# Altium PCB 2-quilter-output.PcbDoc (part 15 of 26) (continued)
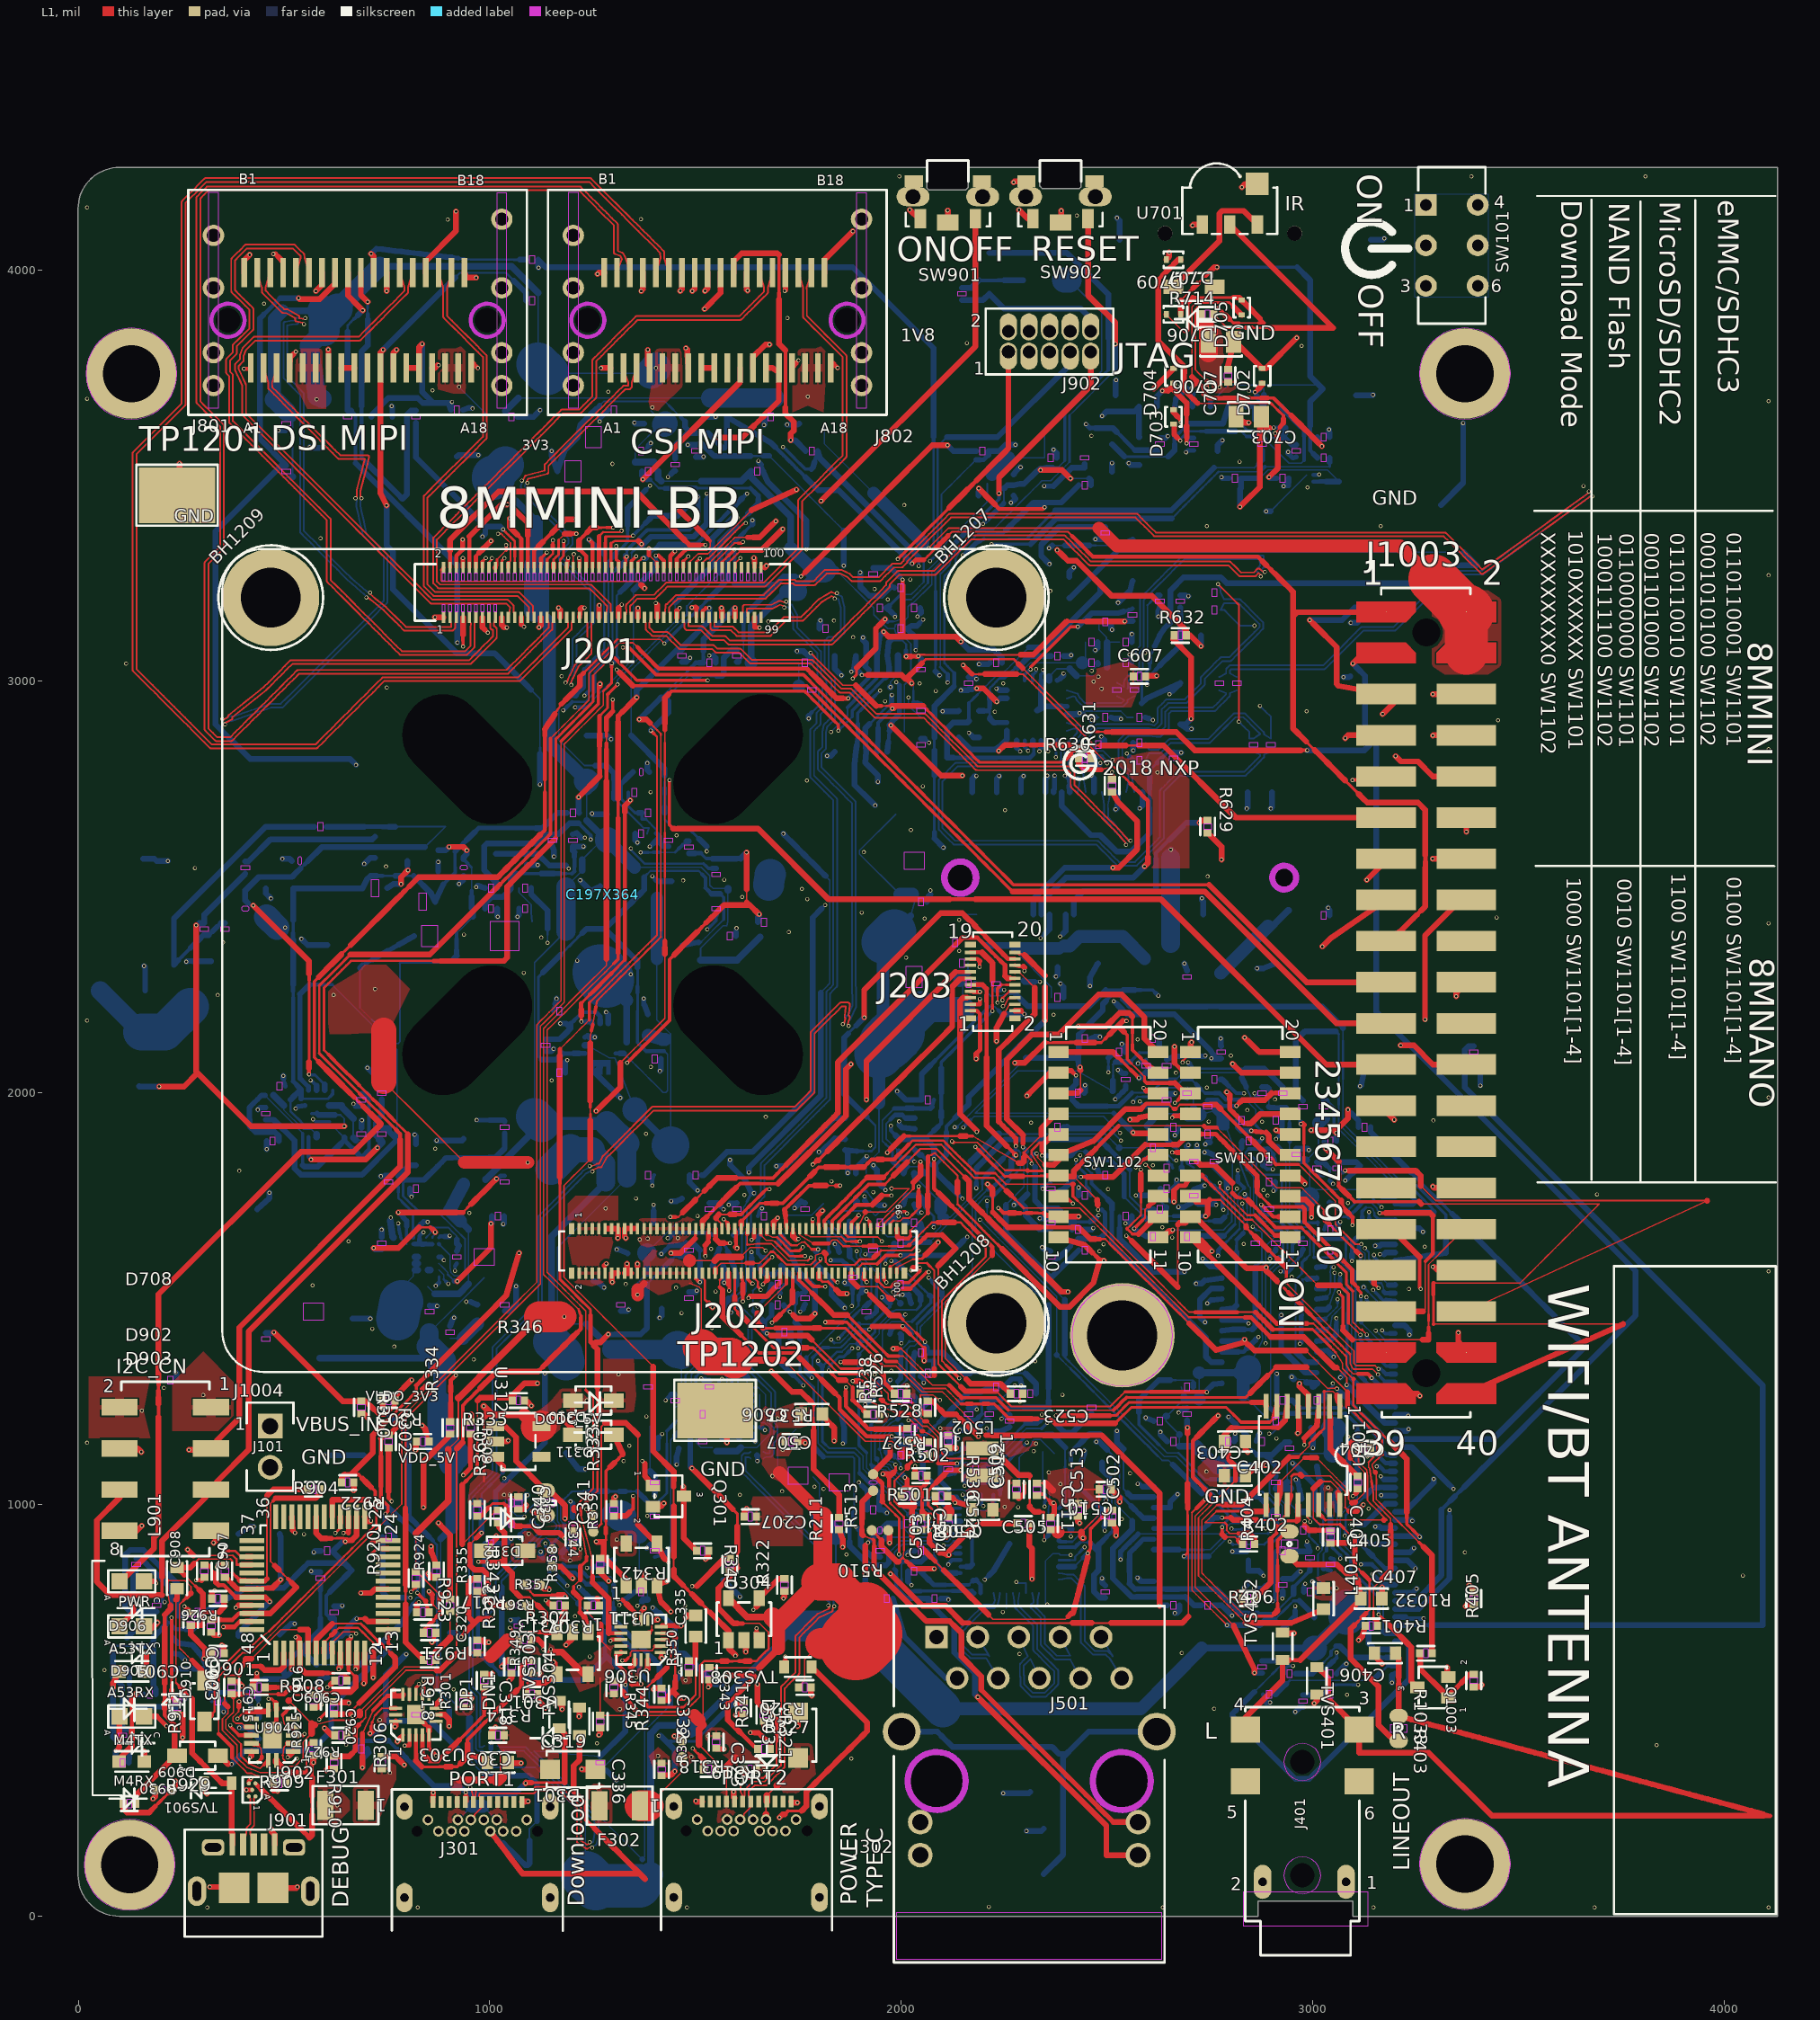
[diagram p0: L1 view]
## Nets (pads, with @x,y where several pads share a name; then routed paths per layer and width w, separated by ;. In a path a pad name is that pad's centre, name@x,y a point inside that pad or via, vN(x,y) a via of type N, cw(c..) or ccw(c..) an arc to the next point about the centre after c; other vN are vias at no path point) (continued)
  L6 w4.85: 1797.63,1732.68 1797.63,1747.52 ; 1797.63,1821.75 1797.63,1836.59
  L6 w5.87: 1797.63,1806.9 1797.63,1821.75 ; 1803.83,1437.87 1803.83,1451.71 1803.83,1465.55
  L6 w6.9: 1797.63,1747.52 1797.63,1762.37 1797.63,1777.21 1797.63,1792.06 1797.63,1806.9 ; 1803.83,1424.04 1803.83,1437.87
  L6 w7.92: v1@1797.63,1853.22 v1(1800.51,1856.09)
  L6 w14.05: 1797.63,1836.6 v1@1797.63,1853.22 ; 1803.83,1424.04 1803.83,1410.2 1803.83,1396.37 1803.83,1382.53 1803.83,1368.7 1865.81,1306.72 v1(1865.81,1284.46)
  L8 w14.05: v1(1800.51,1856.09) 1805.25,1856.09 1838.71,1889.55 U508.6@1864.14,1886.87
NetR527_2: R527.2 R537.1 U508.8 | length 1304.8
  L1 w6.9: 1897.56,1299.76 1906.5,1299.76 1915.71,1290.54 1924.93,1281.33 R537.1@1934.14,1272.12
  L1 w7.92: v1(1853.35,1345.72) 1861.58,1345.72
  L1 w8.94: v1(1882.45,1299.77) 1888.61,1299.76
  L1 w9.96: 1958.19,1296.91 1966.72,1288.38
  L1 w10.99: 1936.57,1334.91 1947.38,1324.1 1958.19,1313.29 ; 1966.72,1288.38 1975.25,1279.85 R527.2@1983.79,1271.31
  L1 w12.01: 1911.77,1345.72 1925.75,1345.72 1936.57,1334.91 ; 1958.19,1296.91 1958.19,1305.1 1958.19,1313.29
  L1 w14.05: 1861.58,1345.72 1869.82,1345.72 1883.8,1345.72 1897.79,1345.72 1911.77,1345.72 ; 1888.62,1299.76 1897.56,1299.76 ; R537.1@1930.37,1268.81 R537.1@1934.14,1272.12 ; R527.2@1983.79,1268.81 R527.2@1983.79,1271.31
  L3 w3.5: v1@1550.43,1517.34 1560.75,1507.02 1571.07,1496.7 1581.38,1486.38 1591.7,1476.06 1602.02,1465.74 1612.34,1455.42 1622.66,1445.11 1632.98,1434.79 1643.3,1424.47 1653.61,1414.15 1663.93,1403.83 1674.25,1393.51 1684.57,1383.19 ; 1731.05,1383.19 1745.31,1378.3 1759.57,1373.41 1773.83,1368.53 1788.09,1363.64 1802.35,1358.75 1816.61,1353.86 1830.87,1348.97 1845.13,1344.09
  L3 w4.85: 1684.57,1383.19 1700.06,1383.19
  L3 w5.87: 1715.55,1383.19 1731.05,1383.19
  L3 w13.03: v1(1549.17,1517.34) v1@1550.43,1517.34
  L3 w14.05: 1700.06,1383.19 1715.55,1383.19 ; 1845.13,1344.09 v1@1851.46,1341.92 ; v1(1853.35,1345.72) 1853.35,1343.81 v1@1851.46,1341.92 ; v1(1882.45,1299.77) 1871.28,1310.95 v1@1851.46,1341.92
  L6 w6.9: 1517.03,1617.74 1526.58,1627.29 1536.13,1636.84
  L6 w7.92: 1555.22,1655.94 1555.22,1669.6 1555.22,1683.26 1555.22,1696.93 1555.22,1710.59 1555.22,1724.25 1564.83,1733.87 1574.45,1743.48 1584.06,1753.09 1593.67,1762.7 1603.28,1772.31 1612.89,1781.92 1622.5,1791.53 1637.24,1791.53 1651.98,1791.53 1666.72,1791.53 1676.74,1801.56
  L6 w12.01: 1507.48,1608.2 1517.03,1617.74
  L6 w13.03: 1536.13,1636.84 1545.67,1646.39
  L6 w14.05: 1507.48,1608.2 1507.48,1593.94 1548.84,1552.58 1548.84,1517.67 v1(1549.17,1517.34) ; 1545.67,1646.39 1555.22,1655.94 ; 1676.74,1801.56 1686.76,1811.58 v1(1696.79,1821.6)
  L8 w14.05: v1(1696.79,1821.6) 1707.99,1821.6 1719.58,1821.6 1836.03,1938.05 U508.8@1864.14,1938.06
NetR528_2: R528.2 R538.1 U508.1 | length 1622.8
  L1 w3.5: 1864.83,1301.22 1873.64,1292.41 1882.44,1283.61 ; 2000.05,1378.4 2010.11,1368.34 2020.17,1358.28 2030.23,1348.22 2040.29,1338.16 2050.35,1328.1 2060.41,1318.04 2070.47,1307.98 ; 2046.96,1265.2 2062.67,1265.2 2078.37,1265.2 2085.98,1259.21 v1@2093.59,1253.22 ; 2070.48,1307.97 2075.32,1307.97 2080.69,1313.34
  L1 w3.83: 2035.15,1580.29 2041,1586.14 2051.93,1586.14 2062.86,1586.14 ; 2080.69,1328.63 2080.69,1340 2080.69,1345.69
  L1 w4.85: 2029.15,1574.29 2035.15,1580.29 ; 2046.96,1253.3 2046.96,1265.19 ; 2071.78,1577.23 2080.69,1568.31 2080.69,1553.35 2080.69,1538.39 2080.69,1523.43 2080.69,1508.47 2080.69,1493.51 2080.69,1478.55 2080.69,1463.59 2080.69,1448.63 2080.69,1433.67 2080.69,1418.71 2080.69,1403.75 2080.69,1388.79 2080.69,1373.83 2080.69,1358.87 2080.69,1345.7
  L1 w5.87: 2046.96,1229.53 2046.96,1241.42 2046.96,1253.3
  L1 w6.9: 1833.63,1315.74 1840.89,1308.48 1848.16,1301.22 ; 1990.29,1378.4 2000.05,1378.4 ; 2062.86,1586.14 2071.78,1577.23
  L1 w7.92: 1899.93,1236.51 R528.2@1908.68,1227.76
  L1 w8.94: v1(1824.25,1325.12) 1833.63,1315.74 ; 1891.18,1245.25 1899.93,1236.51 ; v1@2093.59,1253.22 v1(2094.22,1253.22)
  L1 w9.96: 1882.44,1254.01 1882.44,1268.81 1882.44,1283.61 ; v1(2024.62,1568.25) 2029.15,1572.78
  L1 w10.99: 1882.44,1254 1891.18,1245.25 ; 2046.95,1229.52 2046.95,1228.82 2054.93,1220.85 R538.1@2064.91,1220.85
  L1 w12.01: R528.2@1908.68,1227.76 R528.2@1917.44,1219
  L1 w14.05: 1848.16,1301.22 1864.83,1301.22 ; v1(1980.54,1378.4) 1990.29,1378.4 ; 2029.15,1572.78 2029.15,1574.29 ; 2080.69,1313.35 2080.69,1328.63
  L6 w3.5: 2016.74,1678.77 2016.74,1664.11 2016.74,1649.45 2016.74,1634.78 2016.74,1620.12 2016.74,1605.46 2016.74,1590.8 2016.74,1576.13 v1(2024.62,1568.25) ; 2032.45,1755.91 2032.45,1771.27 2032.45,1786.63
  L6 w3.83: 2032.45,1801.99 2032.45,1817.35 v1(2032.45,1832.7)
  L6 w5.87: 2032.45,1786.63 2032.45,1801.99
  L6 w7.92: v1(1880.9,1378.81) 1880.9,1384.92 1886.69,1390.71 1892.48,1396.5
  L6 w9.96: 1970.25,1360.35 1979.29,1351.32 ; 1980.54,1352.57 1979.29,1351.32 ; 1993.59,1351.32 1979.29,1351.32
  L6 w12.01: 1980.54,1352.57 1980.54,1365.48
  L6 w14.05: 1892.48,1396.5 1934.1,1396.5 1943.14,1387.46 1952.18,1378.43 1961.21,1369.39 1970.25,1360.35 ; 1980.54,1365.48 v1(1980.54,1378.4) ; 1993.59,1351.32 2007.9,1351.32 2022.2,1351.32 2094.22,1279.3 v1(2094.22,1253.22) ; 2016.74,1678.77 2032.45,1694.48 2032.45,1709.84 2032.45,1725.2 2032.45,1740.55 2032.45,1755.91
  L8 w3.83: 1974.42,1935.3 1963.55,1924.43 1963.55,1912.38 1963.55,1900.34 1963.55,1888.29 1973.7,1878.15 1983.84,1868 1993.98,1857.86
  L8 w5.87: 1840.59,1350.35 1848.77,1358.52
  L8 w6.9: v1(1824.25,1325.12) 1824.25,1334 1832.42,1342.17 1840.59,1350.35 ; 1848.77,1358.52 1860.6,1358.52 1870.74,1368.66
  L8 w9.96: 1870.74,1368.66 v1(1880.9,1378.81) ; 2024.92,1840.23 v1(2032.45,1832.7)
  L8 w10.99: 1974.42,1935.3 1985.29,1946.17 1994.06,1946.17 2002.82,1946.17 U508.1@2010.94,1938.05
  L8 w13.03: 1993.98,1857.86 1993.98,1847.75 2001.5,1840.23
  L8 w14.05: 2001.5,1840.23 2024.92,1840.23 ; U508.1@2010.94,1938.05 U508.1@2033.44,1938.06
NetR539_2: R539.2 U502.4 U502.6 | length 388.8
  L8 w3.5: 1883.64,1639.11 1893.26,1629.48 1902.87,1619.87 1902.87,1612.25 1900.32,1607.7
  L8 w3.83: 1900.32,1607.7 1900.32,1604.28 1910.42,1594.19 1920.51,1584.09 1930.61,1574 1940.7,1563.9
  L8 w4.85: U502.4@1827.72,1681.25 1837.14,1671.83 1846.56,1662.41 1855.98,1652.99 1865.4,1643.57 1870.84,1643.57
  L8 w5.87: U502.4@1823.65,1687.84 U502.4@1827.72,1681.25 ; 1940.7,1481.35 1940.7,1495.11 1940.7,1508.86 ; 1940.7,1522.62 1940.7,1536.38 1940.7,1550.14 1940.7,1563.9
  L8 w7.92: 1940.7,1508.86 1940.7,1522.62
  L8 w8.94: R539.2@1923.3,1455.59 1928.82,1457.24
  L8 w9.96: 1928.82,1457.24 1934.76,1463.18
  L8 w10.99: R539.2@1915.61,1453.27 R539.2@1923.3,1455.59
  L8 w12.01: 1870.84,1643.57 1874.84,1647.57 ; 1934.76,1463.18 1940.7,1469.12 1940.7,1481.35
  L8 w14.05: 1874.84,1647.58 1874.84,1660.99 1874.84,1674.41 1874.84,1687.83 1883.64,1666.85 1883.64,1639.11
NetR540_2: R540.2 U504.4 U504.6 | length 451.1
  L1 w7.92: v1(1729.86,1467.86) 1737.85,1459.87
  L1 w14.05: 1737.85,1459.87 1745.84,1451.88 1746.03,1451.69 1778.83,1451.69 v1(1790.43,1463.29)
  L8 w3.5: 1671.02,1600.23 1680.51,1609.72 1690,1619.21 1699.48,1628.69
  L8 w5.87: 1699.48,1628.69 1703.95,1633.16
  L8 w9.96: 1652.38,1627.37 1652.38,1616.43 1652.38,1609.99 1662.14,1600.23 ; R540.2@1722.29,1475.44 v1(1729.86,1467.86)
  L8 w12.01: 1652.38,1627.37 1652.38,1638.3 U504.4@1652.38,1649.24 ; 1662.14,1600.23 1671.02,1600.23
  L8 w14.05: U504.4@1652.38,1649.24 U504.4@1657.77,1654.64 ; 1703.95,1633.16 1703.95,1644.17 U504.6@1708.97,1654.64 1751.42,1566.14 1790.43,1527.12 1790.43,1484.17 v1(1790.43,1463.29) ; R540.2@1714.72,1484.63 1714.71,1483.01 R540.2@1722.29,1475.44
NetR541_2: R541.2 U503.4 U503.6 | length 516.9
  L3 w7.92: 1968.09,1501.53 1981.9,1501.53
  L3 w8.94: v1(1953,1502.81) 1954.27,1501.53 1968.09,1501.53 ; 1981.9,1501.53 1995.71,1501.53 v1(2003.59,1509.4)
  L3 w14.05: v1(1705.44,1504.16) 1742.07,1504.16 1773.56,1472.67 1773.56,1456.12 v1(1829.75,1399.92)
  L8 w3.5: 1837.63,1392.05 1851.78,1392.05 1860.79,1401.06 1869.86,1410.13 1878.93,1419.21 1888,1428.28 1897.07,1437.35
  L8 w4.85: 1897.09,1437.35 1908.01,1437.35 1918.94,1437.35 1929.86,1437.35
  L8 w5.87: 1705.44,1513.86 1710.07,1524.16
  L8 w6.9: 1710.07,1524.16 R541.2@1714.72,1534.43 ; v1(1829.75,1399.92) 1837.63,1392.05 ; 1929.86,1437.35 1940.63,1448.13 1951.41,1458.9 1962.18,1469.67 U503.4@1972.95,1480.45
  L8 w7.92: v1(1953,1502.81) v1@1955.95,1502.81
  L8 w8.94: U503.4@1972.95,1480.45 U503.4@1972.95,1488.62
  L8 w9.96: v1(1705.44,1504.16) 1705.44,1513.86
  L8 w12.01: v1(2003.59,1509.4) 2003.94,1509.05 2018.7,1509.05
  L8 w14.05: v1@1955.95,1502.81 1968.12,1490.64 U503.4@1972.95,1488.62 ; 2018.7,1509.05 U503.6@2024.15,1488.62
NetR542_2: R542.2 U506.4 U506.6 | length 968.8
  L3 w8.94: v1(1642.61,1755.92) 1642.61,1743.65 1642.61,1731.37 1642.61,1719.1 1652.1,1709.61 1661.59,1700.11
  L3 w10.99: v1(1828.93,1593.05) 1828.93,1602.66
  L3 w12.01: 1680.58,1681.13 1690.07,1671.64
  L3 w13.03: 1690.07,1671.64 1699.56,1662.14 1713.92,1662.14
  L3 w14.05: 1661.59,1700.11 1671.09,1690.62 1680.58,1681.13 ; 1713.92,1662.14 1728.27,1662.14 1740.08,1662.14 1741.85,1663.92 1777.27,1663.92 1828.93,1612.26 1828.93,1602.66
  L6 w5.87: 1443.68,1721.72 1454.14,1732.19 ; 1475.07,1753.12 1485.54,1763.59 1496.01,1774.05 1506.47,1784.52
  L6 w6.9: 1464.61,1742.65 1475.07,1753.12
  L6 w7.92: 1422.75,1700.79 1433.21,1711.26 ; 1454.14,1732.19 1464.61,1742.65
  L6 w8.94: 1433.21,1711.26 1443.68,1721.72
  L6 w14.05: 1422.75,1700.79 1422.75,1657.22 v1(1432.92,1647.05) ; 1506.47,1784.52 1516.94,1794.98 1527.4,1805.45 1537.87,1815.91 1548.33,1826.38 1558.8,1836.85 v1(1584.51,1836.85)
  L8 w3.83: 1609.19,1667.73 1616.89,1675.43 1616.88,1690.84 1616.88,1706.25 1616.88,1721.66 1619.94,1724.71 1625.54,1735.43
  L8 w6.9: 1625.54,1735.43 1630.99,1745.85 1636.44,1756.28
  L8 w7.92: v1(1432.92,1647.05) v1@1435.66,1647.05
  L8 w8.94: 1448.99,1660.38 1463.1,1660.38
  L8 w9.96: 1477.22,1660.38 1491.34,1660.38 1505.45,1660.38 1519.57,1660.38 1533.69,1660.38 U506.4@1541.65,1654.65
  L8 w10.99: 1463.1,1660.38 1477.22,1660.38 ; 1601.5,1660.04 1609.19,1667.73 ; v1(1828.93,1593.05) 1842.26,1593.05 1855.59,1593.05 1864.71,1583.93
  L8 w12.01: v1@1435.66,1647.05 1442.32,1653.71 1448.99,1660.38
  L8 w14.05: v1(1584.51,1836.85) 1584.51,1824.98 1621.42,1788.07 1636.44,1756.28 1636.8,1755.92 v1(1642.61,1755.92) ; U506.6@1592.85,1654.65 1601.5,1660.04 ; 1864.71,1583.93 1873.84,1574.8 R542.2@1882.43,1565.8
NetR543_2: R543.2 U505.4 U505.6 | length 520.8
  L3 w14.05: v1(1916.67,1846.04) 1916.67,1839.69 v1(1932.79,1823.56)
  L6 w3.5: 1980.23,1602.52 1989.83,1592.92 1999.43,1583.32 2009.02,1573.72 2009.02,1561.93 2009.02,1550.14 2009.02,1538.35
  L6 w4.85: 1980.23,1602.52 1980.23,1617.98 1980.23,1633.45 1980.23,1648.92 1980.23,1664.39 1980.23,1679.86 1980.23,1695.33 1980.23,1710.8 1980.23,1726.27
  L6 w8.94: v1(1962.23,1763.73) 1962.23,1754 1962.23,1744.27 1971.23,1735.27 1980.23,1726.27 ; v1(1962.46,1584.9) 1971.77,1575.59
  L6 w14.05: 1971.77,1575.59 1981.08,1566.27 1990.39,1556.96 1999.7,1547.65 2009.01,1538.34
  L8 w7.92: v1(1962.46,1584.9) 1962.46,1599.68
  L8 w8.94: v1@1916.67,1844.06 v1(1916.67,1846.04)
  L8 w10.99: 1953.05,1772.91 v1(1962.23,1763.73)
  L8 w12.01: 1962.46,1599.68 1969.94,1607.16
  L8 w13.03: 1898.89,1826.28 1907.78,1835.17 v1@1916.67,1844.06
  L8 w14.05: U505.4@1890.01,1804.05 1890,1817.39 1898.89,1826.28 ; v1(1932.79,1823.56) 1932.79,1820.92 1941.2,1812.5 U505.6@1941.21,1804.05 1948.23,1777.74 1953.05,1772.91 ; 1969.94,1607.16 1977.42,1614.64 1983.03,1620.25 1983.03,1633.28 R543.2@1983.8,1634.05
NetR544_2: R544.2 U507.4 U507.6 | length 371
  L8 w3.83: 1962.71,1874.8 1954.44,1883.07 1954.44,1895.62 1954.44,1908.17 1954.44,1920.72 1954.44,1933.27 1964.17,1942.99 1973.9,1952.72 1983.62,1962.44 ; 1970.98,1866.53 1979.25,1858.26 ; 2014.2,1820.39 2028.64,1820.39 2043.07,1820.39
  L8 w4.85: 2043.07,1820.39 2049.24,1814.23
  L8 w5.87: 1962.71,1874.8 1970.98,1866.53 ; 1979.25,1835.14 1979.25,1844.6 1979.25,1858.26
  L8 w8.94: 2074.62,1965.85 2076.63,1972.56
  L8 w9.96: 2049.24,1814.23 U507.6@2055.4,1808.07 ; 2076.63,1972.56 R544.2@2079.66,1982.68
  L8 w10.99: 1983.62,1962.44 1998.62,1962.44 2013.61,1962.44 ; 2028.61,1962.44 2043.6,1962.44 2058.6,1962.44 2071.22,1962.44
  L8 w14.05: 1979.25,1835.14 2004.59,1809.8 U507.4@2006.13,1804.05 2009.13,1815.32 2014.2,1820.39 ; 2013.61,1962.44 2028.61,1962.44 ; U507.6@2055.4,1808.07 U507.6@2057.33,1804.05 ; 2071.22,1962.44 2074.62,1965.85
NetR612_2: R612.2 U601.8 | length 342.8
  L1 w7.92: v1(2314.64,3029.1) 2314.64,3034.36 2325.51,3045.23 2336.38,3056.1 2347.25,3066.97 2358.13,3077.85 2369,3088.72 2379.87,3099.59 2390.74,3110.46 2401.61,3121.33 2412.48,3132.2 2421.21,3132.2 v1(2429.93,3132.2)
  L8 w7.92: v1@2313.22,3029.1 v1(2314.64,3029.1)
  L8 w8.94: U601.8@2300.65,3002.09 2300.65,3016.53 2306.93,3022.82 v1@2313.22,3029.1 ; 2540.99,3169.69 R612.2@2554.16,3173.64
  L8 w10.99: R612.2@2554.16,3173.64 R612.2@2562.56,3176.16
  L8 w13.03: 2463.47,3165.74 2478.85,3165.74 2494.23,3165.74 2509.61,3165.74 2524.99,3165.74
  L8 w14.05: v1(2429.93,3132.2) 2440.8,3143.07 2463.47,3165.74 ; 2524.99,3165.74 2527.81,3165.74 2540.99,3169.69
NetR613_2: R613.2 U601.9 | length 210.6
  L3 w7.92: v1(2328.33,3029.23) 2328.33,3038.56
  L3 w14.05: v1(2189.81,3041.46) 2193.83,3045.48 2321.42,3045.48 2328.33,3038.56
  L8 w7.92: U601.9@2320.33,3015.8 2328.33,3023.8 v1(2328.33,3029.23)
  L8 w8.94: U601.9@2320.34,3002.09 U601.9@2320.33,3015.8
  L8 w14.05: v1(2189.81,3041.46) 2212.34,3041.46 R613.2@2216.03,3045.18
NetR618_2: R618.2 U601.12 | length 533.7
  L3 w14.05: v1(2360.35,3284.98) 2395.22,3250.12 v1(2395.22,3019.1)
  L8 w9.96: v1@2395.22,3014.58 v1(2395.22,3019.1)
  L8 w12.01: U601.12@2379.39,3002.09 2387.3,3006.67
  L8 w14.05: v1(2360.35,3284.98) 2340.63,3304.71 2340.63,3331.69 2384.31,3375.37 R618.2@2496.21,3375.37 ; 2387.31,3006.68 v1@2395.22,3014.58
NetR619_2: R619.2 U601.19 | length 542.6
  L6 w7.92: 2494,2969.62 2505.01,2980.63
  L6 w8.94: 2482.98,2958.6 2494,2969.62
  L6 w9.96: 2449.04,2900.5 2449.04,2912.58
  L6 w10.99: 2449.04,2912.58 2449.04,2924.67 2449.94,2925.57
  L6 w12.01: 2449.04,2888.42 2449.04,2900.5
  L6 w14.05: v1(2376.4,2815.77) 2449.04,2888.41 ; 2449.95,2925.57 2460.95,2936.57 2471.97,2947.59 2482.98,2958.6 ; 2505.01,2980.63 2516.03,2991.65 2527.04,3002.66 2538.06,3013.68 2549.07,3024.69 2560.09,3035.71 2571.1,3046.72 2582.12,3057.74 v1(2593.13,3068.75)
  L8 w3.5: 2598.86,3074.48 2598.86,3088.29 2598.86,3102.1 2598.86,3115.91 2598.86,3129.72 2598.86,3143.53 2598.86,3157.34 2598.86,3171.16 2598.86,3184.97
  L8 w4.85: 2598.86,3184.97 2606.99,3193.09 ; 2615.11,3201.22 R619.2@2623.24,3209.35
  L8 w5.87: 2376.4,2828.11 2376.4,2840.37 2376.4,2852.63 U601.19@2379.39,2855.63 ; v1(2593.13,3068.75) 2598.86,3074.48 ; 2606.99,3193.09 2615.11,3201.22
  L8 w6.9: v1(2376.4,2815.77) 2376.4,2828.11
  L8 w14.05: R619.2@2623.24,3209.35 R619.2@2628.92,3209.35
NetR620_2: R620.2 U601.23 | length 642.1
  L3 w3.83: 2440.11,2850.88 2450.79,2861.55 2461.47,2872.23 2472.14,2882.91 2482.82,2893.59 2493.5,2904.26
  L3 w4.85: 2364.65,2786.81 2376.05,2786.81 2386.72,2797.49 2397.4,2808.17 2408.08,2818.84 2418.76,2829.52 2429.43,2840.2 2440.11,2850.88
  L3 w7.92: 2502.31,2904.26 2511.12,2904.26 2522.02,2915.16 2532.92,2926.06 2543.81,2936.95
  L3 w9.96: 2493.5,2904.26 2502.31,2904.26 ; 2543.81,2936.95 2554.71,2947.85
  L3 w13.03: 2353.25,2786.81 2364.65,2786.81
  L3 w14.05: v1(2308.81,2831.25) 2353.25,2786.81 ; 2554.71,2947.85 2565.61,2958.75 2576.5,2969.64 2587.4,2980.54 v1(2598.3,2991.44)
  L8 w5.87: 2608.35,3017.83 2618.4,3027.88
  L8 w6.9: 2598.3,2999.61 2598.3,3007.78 2608.35,3017.83
  L8 w8.94: U601.23@2300.65,2840.56 2308.81,2832.4 v1(2308.81,2831.25) ; v1(2598.3,2991.44) 2598.3,2999.61
  L8 w9.96: U601.23@2300.65,2840.56 U601.23@2300.65,2855.63 ; 2618.4,3027.88 2628.45,3037.93
  L8 w14.05: 2628.45,3037.93 2638.5,3047.98 2648.55,3058.03 2658.6,3068.08 2668.65,3078.13 2678.69,3088.17 ; 2678.7,3088.19 R620.2@2678.68,3179.83
NetR624_2: R624.2 R625.2 U601.5 | length 676.9
  L1 w14.05: v1(2183.94,2982.49) 2200.59,2982.49 v1(2232.6,2950.49)
  L6 w14.05: v1(2071.18,2491.77) 2071.18,2540.03 2132.73,2601.59 2132.73,2965.54 v1(2145.22,2978.02)
  L8 w7.92: R625.2@2173.25,2980.61 2182.05,2980.61 v1(2183.94,2982.49)
  L8 w8.94: 2071.18,2482 v1(2071.18,2491.77)
  L8 w10.99: v1(2232.6,2950.49) 2233.16,2950.49 U601.5@2241.06,2958.39
  L8 w14.05: R624.2@2063.08,2464.12 2067.27,2478.09 2071.18,2481.99 ; v1(2145.22,2978.02) 2161.86,2978.02 R625.2@2164.44,2980.61 R625.2@2173.25,2980.61 ; U601.5@2241.06,2958.39 U601.5@2256.95,2958.39
NetR714_2: R714.2 U701.2 | length 658.4
  L1 w3.5: R714.2@2759.8,3891.86 2770.71,3880.93 2781.63,3870.01 2792.55,3859.09
  L1 w5.87: 2792.55,3859.09 2807.69,3859.09 2822.82,3859.09 2837.96,3859.09 ; 2853.1,3859.09 2868.24,3859.09 2883.37,3859.09 2898.51,3859.09
  L1 w10.99: 2837.96,3859.09 2853.1,3859.09
  L1 w14.05: U701.2@2799.08,4109.92 3049.89,3859.1 3034.75,3859.09 3019.61,3859.09 3004.47,3859.09 2989.34,3859.09 2974.2,3859.09 2959.06,3859.09 2943.92,3859.09 2928.79,3859.09 2913.65,3859.09 2898.51,3859.09
NetR908_1: R908.1 U904.2 | length 247.7
  L1 w7.92: v1(508.99,384.99) 514.64,390.64
  L1 w10.99: 479.95,554.96 492.93,554.96 v1(498.94,560.98)
  L1 w13.03: 466.98,554.96 479.95,554.96
  L1 w14.05: R908.1@454.01,554.96 466.98,554.96 ; 514.64,390.64 522.79,398.79 U904.2@522.8,399.36
  L6 w8.94: 498.94,395.04 v1(508.99,384.99)
  L6 w12.01: 498.94,500.64 498.94,515.72
  L6 w13.03: 498.94,485.55 498.94,500.64
  L6 w14.05: 498.94,395.04 498.94,410.12 498.94,425.21 498.94,440.3 498.94,455.38 498.94,470.47 498.94,485.55 ; 498.94,515.72 498.94,530.81 498.94,545.89 v1(498.94,560.98)
NetR909_1: R909.1 U904.3 | length 223.2
  L1 w3.5: 506.07,372.7 497.1,381.67 497.1,389.73 498.63,400 500.16,410.27 U904.3@508.92,419.04
  L1 w5.87: 506.07,372.7 521.63,372.7 v1(531.09,382.16)
  L1 w14.05: R909.1@474.23,322.52 474.23,304.67 482.42,304.67 v1(483.84,303.26) ; U904.3@508.92,419.04 U904.3@522.8,419.04
  L3 w14.05: v1(483.84,303.26) 483.84,334.92 v1(531.09,382.16)
NetR910_1: R910.1 U904.4 | length 159.4
  L1 w7.92: v1@546.64,438.72 v1(549.96,442.05)
  L1 w9.96: U904.4@534.72,438.72 v1@546.64,438.72
  L1 w14.05: U904.4@522.8,438.73 U904.4@534.72,438.72 ; v1(602.82,353.61) 606.79,357.58 R910.1@621.7,357.57
  L3 w14.05: v1(549.96,442.05) 602.82,389.19 v1(602.82,353.61)
NetR911_1: R911.1 U904.5 | length 433.3
  L1 w3.5: 496.85,487.91 498.6,477.2 500.28,466.93 U904.5@508.78,458.43
  L1 w7.92: 505.13,496.61 v1(514.38,505.86)
  L1 w8.94: 496.85,487.92 496.85,488.33 505.13,496.61
  L1 w14.05: R911.1@240.16,490.38 253.89,489.43 v1@253.89,433.05 ; U904.5@508.78,458.43 U904.5@522.8,458.42
  L3 w12.01: 378.27,496.4 392.34,496.4 ; 434.56,496.4 448.63,496.4
  L3 w13.03: v1(253.89,433.05) 263.11,442.27 ; 392.34,496.4 406.41,496.4 ; 420.48,496.4 434.56,496.4
  L3 w14.05: 263.11,442.27 272.34,451.49 281.56,460.71 290.78,469.94 300.14,479.29 361.16,479.29 378.27,496.4 ; 406.41,496.4 420.48,496.4 ; 448.63,496.4 462.7,496.4 476.77,496.4 490.85,496.4 504.92,496.4 v1(514.38,505.86)
NetR926_2: R926.2 U901.2 | length 378.8
  L1 w10.99: 324.94,783.88 v1(331.3,790.23) ; v1(416.34,606.35) 429.73,606.35 443.12,606.35
  L1 w14.05: R926.2@324.94,770.75 324.94,783.88 ; 443.12,606.35 452.58,596.9 490.29,596.9 499.25,605.85 U901.2@499.25,638.35
  L3 w9.96: v1@331.3,788.79 v1(331.3,790.23)
  L3 w12.01: v1@331.3,788.79 331.46,788.63 343.95,782.98 ; 381.87,765.82 394.51,760.1
  L3 w14.05: 343.95,782.98 356.59,777.26 369.23,771.54 381.87,765.82 ; 394.51,760.1 416.34,738.26 v1(416.34,606.35)
NetR929_2: R929.2 R930.2 U904.8 | length 523.1
  L1 w4.85: v1(386.88,479.11) 395.5,487.74 404.13,496.36
  L1 w5.87: 207.87,286.81 218.09,297.03
  L1 w7.92: 187.44,266.37 197.65,276.59 207.87,286.81
  L1 w9.96: 218.09,297.03 R930.2@226.99,305.92
  L1 w12.01: 177.22,256.16 187.44,266.37
  L1 w13.03: 404.13,496.36 418.03,496.36 ; 431.93,496.36 445.83,496.36
  L1 w14.05: R929.2@109.28,272.72 109.27,260.59 118.6,251.27 172.33,251.27 177.22,256.16 ; R930.2@226.99,305.92 235.8,314.74 v1(235.8,327.02) ; 418.03,496.36 431.93,496.36 ; 445.83,496.36 459.73,496.36 U904.8@461.79,499.74
  L3 w3.5: 343.44,341.51 348.06,356 352.69,370.48 357.32,384.96 361.94,399.45 366.57,413.93 371.19,428.41 375.82,442.9 380.45,457.38 383.66,467.45 v1@386.88,477.52
  L3 w12.01: v1@386.88,477.52 v1(386.88,479.11)
  L3 w14.05: v1(235.8,327.02) 328.95,327.02 343.44,341.5
NetR1101_1: R1101.1 SW1101.18 | length 218.5
  L1 w10.99: v1(2815.32,1968.43) 2824.41,1977.52 ; 2900.85,1999.29 2910.74,1999.29
  L1 w12.01: 2910.74,1999.29 2920.63,1999.29
  L1 w14.05: 2824.41,1977.52 2829.29,1982.4 2883.96,1982.4 2900.85,1999.29 ; 2920.63,1999.29 SW1101.18@2945.63,1998.79
  L8 w9.96: 2780.31,1968.43 2789.84,1968.43 2799.36,1968.43 2807.34,1968.43 v1(2815.32,1968.43)
  L8 w13.03: 2774.1,1974.64 2780.31,1968.43
  L8 w14.05: R1101.1@2745.04,1980.84 2767.89,1980.85 2774.1,1974.64
NetR1103_1: R1103.1 SW1101.20 | length 750
  L1 w14.05: v1(2835.17,2134.23) 2846.99,2122.42 2870.63,2098.78 SW1101.20@2945.63,2098.79
  L6 w3.5: 2746.63,2120.88 2761.67,2120.88 2776.71,2120.88 2791.75,2120.88 2806.79,2120.88 2821.82,2120.88 2828.5,2127.56 v1(2835.17,2134.23)
  L6 w6.9: v1(2564.18,1977.34) 2574.16,1967.37 2584.13,1957.4 2594.1,1947.43 2604.07,1937.46 2614.04,1927.49 2624.01,1917.52
  L6 w7.92: 2624.01,1917.52 2633.98,1907.55
  L6 w8.94: 2633.98,1907.55 2637.32,1907.55
  L6 w14.05: 2637.32,1907.55 2639.72,1909.95 2639.72,1928.67 2639.72,1994.63 2703.39,2058.3 2705.56,2058.3 2723.13,2075.87 2723.13,2097.38 2746.63,2120.88
  L8 w3.5: 2611.14,1990.28 2622.12,2001.26 2633.1,2012.24 2648.08,2012.24 2663.06,2012.24 2678.03,2012.24
  L8 w3.83: 2574.59,1990.28 2586.78,1990.28 ; 2598.96,1990.28 2611.14,1990.28 ; 2678.03,2012.24 2678.88,2011.4 2678.88,2001.34 2678.88,1991.29
  L8 w5.87: v1@2564.18,1979.87 2574.59,1990.28 ; 2586.78,1990.28 2598.96,1990.28
  L8 w6.9: 2678.88,1991.28 R1103.1@2687.08,1987.9
  L8 w8.94: R1103.1@2687.08,1987.9 R1103.1@2695.27,1984.52
  L8 w10.99: v1(2564.18,1977.34) v1@2564.18,1979.87
NetR1105_1: R1105.1 SW1101.19 | length 493.4
  L1 w14.05: v1(2805.8,2070.24) 2816.53,2059.51 2827.26,2048.78 SW1101.19@2945.63,2048.79
  L6 w12.01: 2682.64,1863.04 2682.64,1876.52 2682.64,1890
  L6 w14.05: v1(2669.15,1836.08) 2682.64,1849.56 2682.64,1863.04 ; 2682.64,1890 2682.64,1903.48 2682.64,1916.96 2805.8,2040.13 v1(2805.8,2070.24)
  L8 w3.5: 2639.63,1858.7 2647.18,1851.16 2654.72,1843.62 2662.26,1836.08
  L8 w6.9: 2662.26,1836.08 v1(2669.15,1836.08)
  L8 w14.05: R1105.1@2627.09,1866.47 2638.11,1858.7 2639.63,1858.7
NetR1107_1: R1107.1 SW1101.17 | length 785.2
  L1 w12.01: 2798.54,1983.8 2798.54,1972.48 2798.54,1961.16 2807.38,1952.32 2816.23,1943.47 2825.08,1934.62 2833.93,1925.77 2842.27,1925.77
  L1 w14.05: v1(2791.59,2002.07) 2798.54,1995.12 2798.54,1983.8 ; 2842.27,1925.77 2850.6,1925.77 2873.62,1948.79 SW1101.17@2945.63,1948.79
  L6 w3.5: 2727.4,1785.75 2727.4,1771.16 2727.4,1756.57 2727.4,1741.98 2727.4,1727.4 2727.4,1712.81 2727.4,1698.22 2737.77,1687.85 2748.15,1677.47 2758.52,1667.1 2768.89,1656.73 2779.26,1646.35 2789.64,1635.98 2800.01,1625.61 2810.38,1615.23 ; 2810.39,1615.22 2819.51,1606.1 2826.36,1599.25 2829.05,1596.56 2842.57,1596.56 2856.09,1596.56 2869.62,1596.56 2883.14,1596.56 v1(2896.66,1596.56)
  L6 w5.87: 2762.8,1972.67 2772.4,1982.27
  L6 w6.9: 2772.4,1982.27 2782,1991.87
  L6 w7.92: 2782,1991.87 2791.59,2001.47 v1(2791.59,2002.07)
  L6 w9.96: 2762.8,1836.3 2762.8,1851.45 2762.8,1866.61 2762.8,1881.76 2762.8,1896.91 2762.8,1912.06 2762.8,1927.22 2762.8,1942.37 2762.8,1957.52 2762.8,1972.67
  L6 w12.01: 2727.4,1785.75 2736.25,1794.6 ; 2753.95,1812.3 2762.8,1821.15 2762.8,1836.3
  L6 w14.05: 2736.25,1794.6 2745.1,1803.45 2753.95,1812.3
  L8 w7.92: v1(2896.66,1596.56) 2896.66,1602.77 2903.12,1609.23
  L8 w13.03: 2903.12,1609.23 R1107.1@2909.58,1615.69
  L8 w14.05: R1107.1@2909.58,1615.69 R1107.1@2910.92,1619.28
NetR1109_1: R1109.1 SW1101.16 | length 421.3
  L1 w14.05: v1(2911.73,1909.27) 2912.19,1908.81 SW1101.16@2945.63,1898.79
  L6 w5.87: v1(2816.68,1766.95) 2827.16,1777.43 2837.64,1787.91 2848.11,1798.38 2858.59,1808.86 2869.07,1819.33 2879.54,1829.81 2879.54,1844.29 ; 2879.55,1873.25 2890.28,1883.98 2901,1894.7 v1@2911.73,1905.43
  L6 w14.05: 2879.54,1844.29 2879.54,1858.77 2879.54,1873.25 ; v1@2911.73,1905.43 v1(2911.73,1909.27)
  L8 w3.5: 2812.31,1680.43 2812.31,1695.21 2812.31,1709.98 2812.31,1724.76 2810.13,1728.01 2810.13,1742.77 2810.13,1757.54 v1@2816.65,1764.06
  L8 w4.85: v1@2816.65,1764.06 v1@2816.65,1766.92
  L8 w6.9: 2784.49,1652.61 2792.44,1660.57 2802.38,1670.5 2812.31,1680.43
  L8 w14.05: R1109.1@2710.03,1650.65 2715.37,1652.61 2784.49,1652.61
NetR1111_1: R1111.1 SW1101.15 | length 177.7
  L1 w10.99: v1(2851.02,1907.97) 2851.75,1907.25 2863.52,1905.99 ; 2875.29,1904.74 2887.06,1903.48
  L1 w12.01: 2863.52,1905.99 2875.29,1904.74
  L1 w14.05: 2887.06,1903.48 2894.21,1896.33 2894.21,1882.15 2919.85,1856.51 SW1101.15@2945.63,1848.79
  L8 w8.94: R1111.1@2813.22,1932.87 2816.94,1920.43 2818.25,1916.07
  L8 w14.05: 2818.25,1916.07 2826.35,1907.97 v1(2851.02,1907.97)
NetR1113_1: R1113.1 SW1101.14 | length 150.9
  L1 w9.96: v1(2981.53,1778.07) v1@2981.53,1780.64
  L1 w14.05: SW1101.14@2945.63,1798.79 2967.84,1794.34 v1@2981.53,1780.64
  L6 w9.96: 2950.28,1761.95 2965.41,1761.95 2973.47,1770.01 v1(2981.53,1778.07)
  L6 w14.05: v1(2904.89,1761.95) 2920.02,1761.95 2935.15,1761.95 2950.28,1761.95
  L8 w7.92: v1(2904.89,1761.95) v1@2907.97,1765.03
  L8 w14.05: v1@2907.97,1765.03 2907.97,1779.72 R1113.1@2909.09,1783.46
NetR1115_1: R1115.1 SW1101.13 | length 391.3
  L1 w12.01: v1(2997.5,1697.38) 2997.5,1711.75 2997.5,1726.11
  L1 w14.05: SW1101.13@2945.63,1748.79 2956.96,1740.48 2983.13,1740.48 2997.5,1726.11
  L3 w3.5: 2836.44,1749.27 2844.06,1741.65 2851.67,1734.03 2859.29,1726.41 2871.19,1718.43 2883.09,1710.44
  L3 w3.83: v1(2834.86,1754.17) 2836.44,1749.27
  L3 w14.05: 2883.09,1710.44 2889.62,1703.91 2990.97,1703.91 v1(2997.5,1697.38)
  L8 w3.5: 2840.87,1717.89 2841.38,1715.41 2841.38,1699.8 2841.38,1684.18 2841.38,1668.57
  L8 w3.83: 2836.63,1744.49 2840.87,1740.26 2840.87,1729.07 2840.87,1717.89 ; 2841.38,1668.57 2851.26,1658.69
  L8 w7.92: v1(2834.86,1754.17) v1@2836.63,1752.4
  L8 w9.96: 2851.26,1658.69 R1115.1@2861.13,1648.81
  L8 w12.01: 2836.63,1744.49 v1@2836.63,1752.4
NetR1117_1: R1117.1 SW1101.12 | length 118.7
  L1 w7.92: 2885.64,1717.96 2895.23,1708.37
  L1 w8.94: v1(2875.46,1728.15) 2885.64,1717.96 ; 2895.23,1708.37 2904.82,1698.78 2918.42,1698.78
  L1 w14.05: 2918.42,1698.78 2932.02,1698.78 SW1101.12@2945.63,1698.79
  L8 w6.9: v1(2875.46,1728.15) 2875.46,1722.23 2878.6,1714.15 2881.73,1706.08
  L8 w7.92: 2881.73,1706.08 R1117.1@2894.33,1702.29
NetR1119_1: R1119.1 SW1102.20 | length 1232.4
  L1 w7.92: v1(2296.22,1867.86) 2296.22,1877.5
  L1 w12.01: 2296.22,1877.5 2296.22,1887.15 2296.22,1897.4
  L1 w14.05: 2296.22,1897.4 2256.98,1936.64 2256.98,2080.78 2317.7,2141.5 2382.91,2141.5 2480.24,2238.83 2536.28,2238.83 2591.47,2183.64 2591.47,2131.95 SW1102.20@2624.63,2098.79
  L8 w3.5: 2254.76,1727.34 2265.78,1738.36 2276.8,1749.38 2287.83,1760.4 2298.85,1771.43 2298.85,1784.54 2298.85,1797.66 2298.85,1810.77 2298.85,1823.89 2298.85,1837
  L8 w3.83: 2298.85,1837 2302.46,1847.5 2305.79,1857.2
  L8 w10.99: v1(2296.22,1867.86) 2305.79,1858.29 2305.79,1857.2
  L8 w14.05: 2254.76,1727.34 2254.76,1659.62 2364.29,1550.08 ; 2364.31,1550.07 R1119.1@2431.68,1617.44